# KiCad board Solder.kicad_pcb (continued)
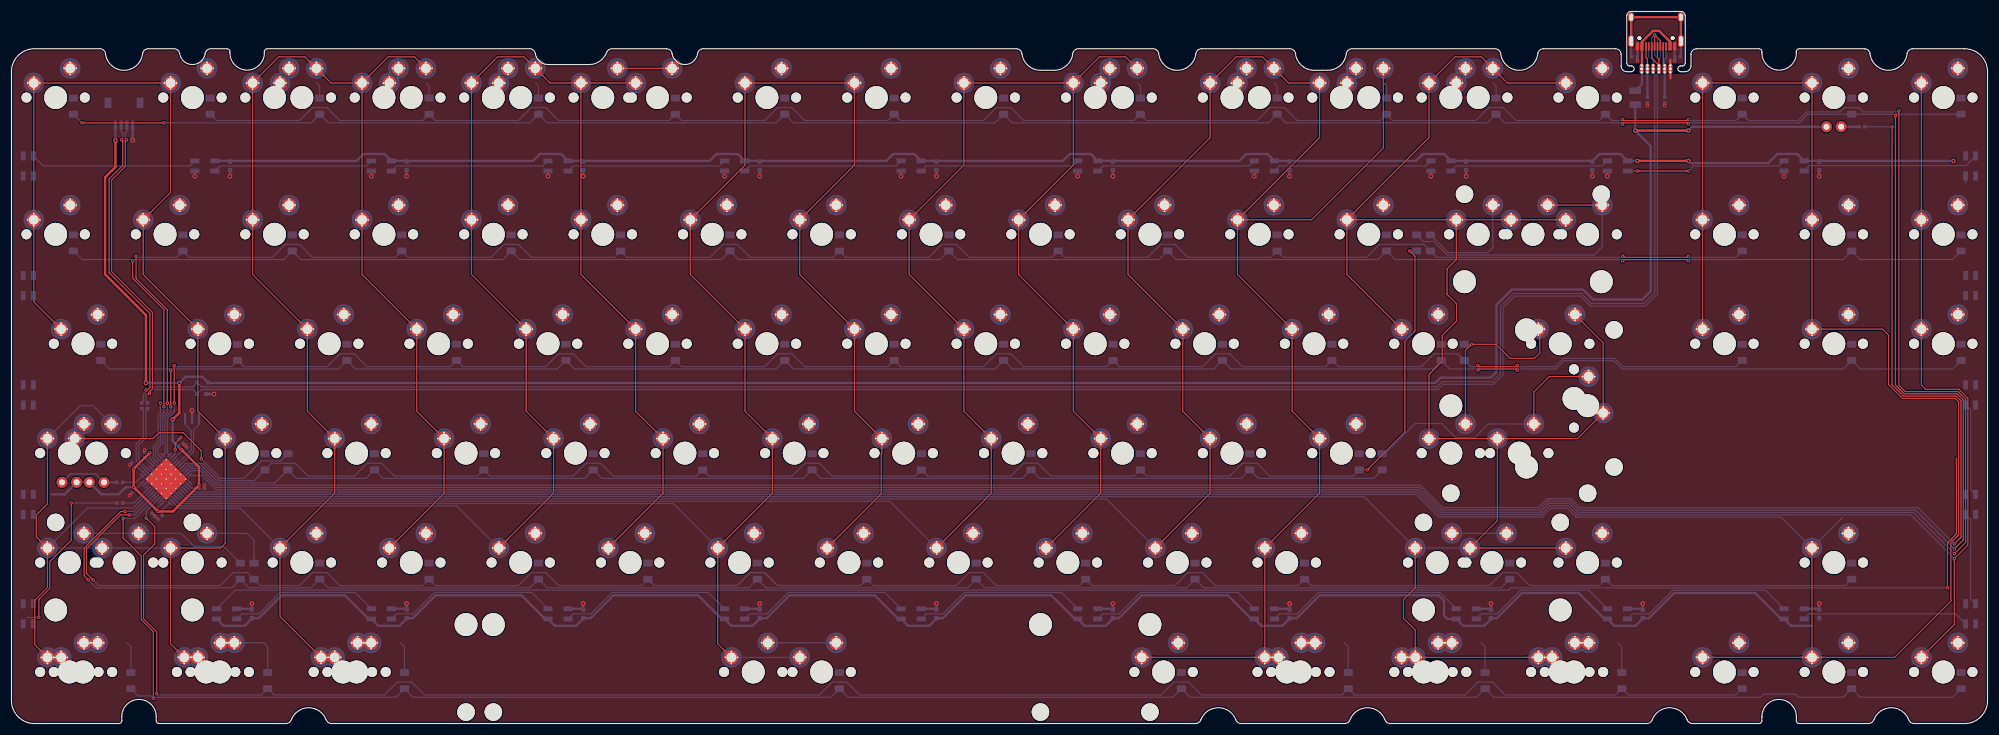
[diagram p0: board, top side]
## Footprints (pads in the part's own frame, mm; a bottom-side part is the same pattern mirrored in y, then rotated) (continued)
  round 2.5 hole 1.7: 1(-3.81,2.54) 2(2.54,5.08)
  round 3.6 smd far side: 1(-3.81,2.54) 2(2.54,5.08)
MXOnly-2.25U-ReversedStabilizers-NoLED
  round 3.988 hole 3.988 unplated: (-11.906,8.255) (0,0) (11.906,8.255)
  round 3.048 hole 3.048 unplated: (-11.906,-6.985) (11.906,-6.985)
  round 1.75 hole 1.75 unplated: (-5.08,0) (5.08,0)
  round 3.2 smd: (-3.81,2.54) (2.54,5.08)
  round 1 smd: (3.099,0)
  round 0.4 hole 0.3: 1(-4.86,2.54) 1(-3.81,3.59) 1(-3.81,1.49) 1(-2.76,2.54) 2(1.49,5.08) 2(2.54,6.13) 2(2.54,4.03) 2(3.59,5.08)
  round 2.5 hole 1.7: 1(-3.81,2.54) 2(2.54,5.08)
  round 3.6 smd far side: 1(-3.81,2.54) 2(2.54,5.08)
MXOnly-2.75U-NoLED
  round 3.048 hole 3.048 unplated: (-11.906,6.985) (11.906,6.985)
  round 3.988 hole 3.988 unplated: (-11.906,-8.255) (0,0) (11.906,-8.255)
  round 1.75 hole 1.75 unplated: (-5.08,0) (5.08,0)
  round 3.2 smd: (-3.81,2.54) (2.54,5.08)
  round 1 smd: (3.099,0)
  round 0.4 hole 0.3: 1(-4.86,2.54) 1(-3.81,3.59) 1(-3.81,1.49) 1(-2.76,2.54) 2(1.49,5.08) 2(2.54,6.13) 2(2.54,4.03) 2(3.59,5.08)
  round 2.5 hole 1.7: 1(-3.81,2.54) 2(2.54,5.08)
  round 3.6 smd far side: 1(-3.81,2.54) 2(2.54,5.08)
MXOnly-2U-NoLED
  round 3.048 hole 3.048 unplated: (-11.906,6.985) (11.906,6.985)
  round 3.988 hole 3.988 unplated: (-11.906,-8.255) (0,0) (11.906,-8.255)
  round 1.75 hole 1.75 unplated: (-5.08,0) (5.08,0)
  round 3.2 smd: (-3.81,2.54) (2.54,5.08)
  round 1 smd: (3.099,0)
  round 0.4 hole 0.3: 1(-4.86,2.54) 1(-3.81,3.59) 1(-3.81,1.49) 1(-2.76,2.54) 2(1.49,5.08) 2(2.54,6.13) 2(2.54,4.03) 2(3.59,5.08)
  round 2.5 hole 1.7: 1(-3.81,2.54) 2(2.54,5.08)
  round 3.6 smd far side: 1(-3.81,2.54) 2(2.54,5.08)
MXOnly-6.25U-ReversedStabilizers-NoLED
  round 3.988 hole 3.988 unplated: (-50,8.255) (0,0) (50,8.255)
  round 3.048 hole 3.048 unplated: (-50,-6.985) (50,-6.985)
  round 1.75 hole 1.75 unplated: (-5.08,0) (5.08,0)
  round 3.2 smd: (-3.81,2.54) (2.54,5.08)
  round 1 smd: (3.099,0)
  round 0.4 hole 0.3: 1(-4.86,2.54) 1(-3.81,3.59) 1(-3.81,1.49) 1(-2.76,2.54) 2(1.49,5.08) 2(2.54,6.13) 2(2.54,4.03) 2(3.59,5.08)
  round 2.5 hole 1.7: 1(-3.81,2.54) 2(2.54,5.08)
  round 3.6 smd far side: 1(-3.81,2.54) 2(2.54,5.08)
MXOnly-7U-ReversedStabilizers-NoLED
  round 3.988 hole 3.988 unplated: (-57.15,8.255) (0,0) (57.15,8.255)
  round 3.048 hole 3.048 unplated: (-57.15,-6.985) (57.15,-6.985)
  round 1.75 hole 1.75 unplated: (-5.08,0) (5.08,0)
  round 3.2 smd: (-3.81,2.54) (2.54,5.08)
  round 1 smd: (3.099,0)
  round 0.4 hole 0.3: 1(-4.86,2.54) 1(-3.81,3.59) 1(-3.81,1.49) 1(-2.76,2.54) 2(1.49,5.08) 2(2.54,6.13) 2(2.54,4.03) 2(3.59,5.08)
  round 2.5 hole 1.7: 1(-3.81,2.54) 2(2.54,5.08)
  round 3.6 smd far side: 1(-3.81,2.54) 2(2.54,5.08)
MXOnly-ISO-ROTATED-ReversedStabilizers-NoLED
  round 3.988 hole 3.988 unplated: (-8.255,11.938) (-8.255,-11.938) (0,0)
  round 1.75 hole 1.75 unplated: (0,5.08) (0,-5.08)
  round 1 smd: (0,-3.099)
  round 3.2 smd: (2.54,3.81) (5.08,-2.54)
  round 3.048 hole 3.048 unplated: (6.985,11.938) (6.985,-11.938)
  round 0.4 hole 0.3: 1(1.49,3.81) 1(2.54,4.86) 1(2.54,2.76) 1(3.59,3.81) 2(4.03,-2.54) 2(5.08,-1.49) 2(5.08,-3.59) 2(6.13,-2.54)
  round 2.5 hole 1.7: 1(2.54,3.81) 2(5.08,-2.54)
  round 3.6 smd far side: 1(2.54,3.81) 2(5.08,-2.54)
MXOnly-LEDONLY
  round 1.905 hole 1.04: 1(1.27,-5.08) 2(-1.27,-5.08)
MXOnly-LEDONLY-FLIPPED
  round 1.905 hole 1.04: 1(-1.27,-5.08) 2(1.27,-5.08)
QFN-44-1EP_7x7mm_P0.5mm_EP5.2x5.2mm
  rrect 1.05x1.05 smd: (-1.95,-1.95) (-1.95,-0.65) (-1.95,0.65) (-1.95,1.95) (-0.65,-1.95) (-0.65,-0.65) (-0.65,0.65) (-0.65,1.95) (0.65,-1.95) (0.65,-0.65) (0.65,0.65) (0.65,1.95) (1.95,-1.95) (1.95,-0.65) (1.95,0.65) (1.95,1.95)
  rrect 1.075x0.25 smd: 1(-3.337,2.5)
  trapezoid 1.075x0.25 smd: 2(-3.337,2) 3(-3.337,1.5) 4(-3.337,1) 5(-3.337,0.5) 6(-3.337,0) 7(-3.337,-0.5) 8(-3.337,-1) 9(-3.337,-1.5) 10(-3.337,-2) 11(-3.337,-2.5) 23(3.337,-2.5) 24(3.337,-2) 25(3.337,-1.5) 26(3.337,-1) 27(3.337,-0.5) 28(3.337,0) 29(3.337,0.5) 30(3.337,1) 31(3.337,1.5) 32(3.337,2) 33(3.337,2.5)
  trapezoid 0.25x1.075 smd: 12(-2.5,-3.337) 13(-2,-3.337) 14(-1.5,-3.337) 15(-1,-3.337) 16(-0.5,-3.337) 17(0,-3.337) 18(0.5,-3.337) 19(1,-3.337) 20(1.5,-3.337) 21(2,-3.337) 22(2.5,-3.337) 34(2.5,3.337) 35(2,3.337) 36(1.5,3.337) 37(1,3.337) 38(0.5,3.337) 39(0,3.337) 40(-0.5,3.337) 41(-1,3.337) 42(-1.5,3.337) 43(-2,3.337) 44(-2.5,3.337)
  round 0.5 hole 0.2: 45(-2.35,-2.35) 45(-2.35,0) 45(-2.35,2.35) 45(-2.35,-1.175) 45(-2.35,1.175) 45(-1.175,-2.35) 45(-1.175,-1.175) 45(-1.175,1.175) 45(-1.175,2.35) 45(-1.175,0) 45(0,-2.35) 45(0,-1.175) 45(0,0) 45(0,1.175) 45(0,2.35) 45(1.175,0) 45(1.175,-2.35) 45(1.175,-1.175) 45(1.175,1.175) 45(1.175,2.35) 45(2.35,-1.175) 45(2.35,1.175) 45(2.35,-2.35) 45(2.35,0) 45(2.35,2.35)
  rrect 5.2x5.2 smd far side: 45(0,0)
  rrect 5.2x5.2 smd: 45(0,0)
R_0402
  rect 0.56x0.62 smd: 1(-0.48,0) 2(0.48,0)
Resonator_SMD_muRata_CSTxExxV-3Pin_3.0x1.1mm
  rect 0.4x1.9 smd: 1(-1.2,0) 2(0,0) 3(1.2,0)
SOT143B
  rect 0.7x1 smd: 1(-1,0.75)
  rect 0.7x0.6 smd: 2(-1,-0.95) 3(1,-0.95) 4(1,0.95)

## Nets
+5V: C1.1 C3.1 C4.1 C5.1 C6.1 C7.1 C9.2 C10.2 C11.2 C12.2 C13.2 C14.2 C15.2 C16.2 C17.2 C18.2 C19.1 C20.1 C21.1 C22.1 C23.1 C24.1 C25.1 C26.1 C27.1 C28.1 D1.2 D2.2 D3.2 F1.2 J2.1 R1.1 RGB1.1 RGB2.1 RGB3.1 RGB4.1 RGB5.1 RGB6.1 RGB7.1 RGB8.1 RGB9.1 RGB10.1 RGB11.1 RGB12.1 RGB13.1 RGB14.1 RGB15.1 RGB16.1 RGB17.1 RGB18.1 RGB19.1 RGB20.1 RGB21.1 RGB22.1 RGB23.1 RGB24.1 RGB25.1 RGB26.1 RGB27.1 RGB28.1 RGB29.1 RGB30.1 U1.2 U1.7 U1.14 U1.24 U1.34 U1.44 U2.4
GND: C1.2 C2.1 C3.2 C4.2 C5.2 C6.2 C7.2 C8.2 C9.1 C10.1 C11.1 C12.1 C13.1 C14.1 C15.1 C16.1 C17.1 C18.1 C19.2 C20.2 C21.2 C22.2 C23.2 C24.2 C25.2 C26.2 C27.2 C28.2 J1.6 J2.4 R4.1 R6.1 R9.1 R10.2 RGB1.3 RGB2.3 RGB3.3 RGB4.3 RGB5.3 RGB6.3 RGB7.3 RGB8.3 RGB9.3 RGB10.3 RGB11.3 RGB12.3 RGB13.3 RGB14.3 RGB15.3 RGB16.3 RGB17.3 RGB18.3 RGB19.3 RGB20.3 RGB21.3 RGB22.3 RGB23.3 RGB24.3 RGB25.3 RGB26.3 RGB27.3 RGB28.3 RGB29.3 RGB30.3 U1.5 U1.15 U1.23 U1.35 U1.43 U1.45 U2.1 USB1.1 USB1.12 USB2.1 USB2.12 Y1.2
C0: MX1.1 MX2.1 MX3.1 MX4.1 MX5.1 MX6.1 MX7.1 MX8.1 MX9.2 MX10.1 MX11.1 MX12.1 MX13.1 MX14.1 MX15.1 MX16.1 U1.40
C1: MX17.1 MX18.1 MX19.1 MX20.1 MX21.1 MX22.1 MX23.1 MX24.2 MX25.1 MX26.1 MX27.1 MX28.1 MX29.1 MX30.2 U1.32
C2: MX31.1 MX32.1 MX33.1 MX34.1 MX35.1 MX36.2 MX37.1 MX38.1 MX39.1 MX40.1 MX41.1 MX42.1 U1.31
C3: MX43.1 MX44.1 MX45.1 MX46.1 MX47.1 MX48.1 MX49.1 MX50.1 MX51.1 MX52.1 MX53.1 MX54.1 U1.30
C4: MX55.1 MX56.1 MX57.1 MX58.1 MX59.1 MX60.1 MX61.1 MX62.1 MX63.1 MX64.1 MX65.2 U1.29
C5: MX66.1 MX67.1 MX68.1 MX69.1 MX70.1 MX71.1 MX72.2 MX73.1 MX74.1 MX75.1 MX76.1 MX77.1 MX78.1 MX79.1 MX80.2 U1.28
C6: MX81.1 MX82.1 MX83.1 MX84.1 MX85.1 MX86.1 MX87.1 MX88.1 MX89.2 MX90.2 MX91.1 MX92.1 MX93.1 MX94.1 MX95.1 MX96.1 MX97.1 MX98.1 MX99.2 U1.27
C7: MX100.1 MX101.1 MX102.1 MX103.1 MX104.1 MX105.1 MX106.1 MX107.1 MX108.1 U1.26
C8: MX109.1 MX110.1 MX111.1 MX112.1 U1.25
C+: J1.4 J2.3 R8.1 U2.2 USB1.6 USB1.8 USB2.6 USB2.8
C-: J1.3 J2.2 R7.2 U2.3 USB1.5 USB1.7 USB2.5 USB2.7
Caps: R2.1 U1.1
CC1: J1.2 R9.2 USB1.10 USB2.4
CC2: J1.5 R10.1 USB1.4 USB2.10
D+: R8.2 U1.4
D-: R7.1 U1.3
Fuse: F1.1 J1.1 USB1.2 USB1.11 USB2.2 USB2.11
R0: D4.1 D16.1 D27.1 D37.1 D48.1 D58.1 D70.1 D86.1 D91.1 U1.21
R1: D10.1 D22.1 D32.1 D43.1 D53.1 D64.1 D76.1 D82.1 U1.22
R2: D5.1 D17.1 D28.1 D38.1 D49.1 D59.1 D71.1 D87.1 D92.1 U1.9
R3: D11.1 D23.1 D33.1 D44.1 D54.1 D65.1 D77.1 D83.1 U1.10
R4: D6.1 D18.1 D29.1 D39.1 D50.1 D60.1 D72.1 D88.1 D93.1 U1.11
R5: D12.1 D24.1 D34.1 D45.1 D55.1 D66.1 D78.1 D84.1 U1.12
R6: D7.1 D19.1 D30.1 D40.1 D51.1 D61.1 D73.1 U1.19
R7: D13.1 D25.1 D35.1 D46.1 D56.1 D67.1 D79.1 U1.18
R8: D8.1 D20.1 D31.1 D41.1 D52.1 D62.1 D74.1 U1.39
R9: D14.1 D26.1 D36.1 D47.1 D57.1 D68.1 D80.1 D89.1 U1.38
R10: D9.1 D21.1 D42.1 D63.1 D75.1 D90.1 D94.1 U1.37
R11: D15.1 D69.1 D81.1 D85.1 U1.36
Scroll: R3.1 U1.20
Shiled: C8.1 R6.2 USB1.13 USB2.13
Strip1: RGB2.4 RGB13.2
Strip2: RGB19.2 RGB20.4
Strip3: RGB12.2 RGB21.4
Net-(C2-Pad2): C2.2 U1.6
Net-(D1-Pad1): D1.1 D2.1 R2.2
Net-(D3-Pad1): D3.1 R3.2
Net-(D4-Pad2): D4.2 MX2.2
Net-(D5-Pad2): D5.2 MX3.2
Net-(D6-Pad2): D6.2 MX4.2
Net-(D7-Pad2): D7.2 MX5.2 MX9.1
Net-(D8-Pad2): D8.2 MX6.2 MX7.2
Net-(D9-Pad2): D9.2 MX1.2 MX8.2
Net-(D10-Pad2): D10.2 MX11.2
Net-(D11-Pad2): D11.2 MX12.2
Net-(D12-Pad2): D12.2 MX13.2
Net-(D13-Pad2): D13.2 MX14.2
Net-(D14-Pad2): D14.2 MX15.2
Net-(D15-Pad2): D15.2 MX10.2 MX16.2
Net-(D16-Pad2): D16.2 MX18.2 MX24.1
Net-(D17-Pad2): D17.2 MX19.2
Net-(D18-Pad2): D18.2 MX20.2
Net-(D19-Pad2): D19.2 MX21.2
Net-(D20-Pad2): D20.2 MX22.2
Net-(D21-Pad2): D21.2 MX17.2 MX23.2
Net-(D22-Pad2): D22.2 MX25.2 MX30.1
Net-(D23-Pad2): D23.2 MX26.2
Net-(D24-Pad2): D24.2 MX27.2
Net-(D25-Pad2): D25.2 MX28.2
Net-(D26-Pad2): D26.2 MX29.2
Net-(D27-Pad2): D27.2 MX31.2 MX36.1
Net-(D28-Pad2): D28.2 MX32.2
Net-(D29-Pad2): D29.2 MX33.2
Net-(D30-Pad2): D30.2 MX34.2
Net-(D31-Pad2): D31.2 MX35.2
Net-(D32-Pad2): D32.2 MX37.2 MX38.2
Net-(D33-Pad2): D33.2 MX39.2
Net-(D34-Pad2): D34.2 MX40.2
Net-(D35-Pad2): D35.2 MX41.2
Net-(D36-Pad2): D36.2 MX42.2
Net-(D37-Pad2): D37.2 MX44.2
Net-(D38-Pad2): D38.2 MX45.2
Net-(D39-Pad2): D39.2 MX46.2
Net-(D40-Pad2): D40.2 MX47.2
Net-(D41-Pad2): D41.2 MX48.2
Net-(D42-Pad2): D42.2 MX43.2 MX49.2
Net-(D43-Pad2): D43.2 MX50.2
Net-(D44-Pad2): D44.2 MX51.2
Net-(D45-Pad2): D45.2 MX52.2
Net-(D46-Pad2): D46.2 MX53.2
Net-(D47-Pad2): D47.2 MX54.2
Net-(D48-Pad2): D48.2 MX55.2
Net-(D49-Pad2): D49.2 MX56.2
Net-(D50-Pad2): D50.2 MX57.2
Net-(D51-Pad2): D51.2 MX58.2
Net-(D52-Pad2): D52.2 MX59.2
Net-(D53-Pad2): D53.2 MX60.2 MX65.1
Net-(D54-Pad2): D54.2 MX61.2
Net-(D55-Pad2): D55.2 MX62.2
Net-(D56-Pad2): D56.2 MX63.2
Net-(D57-Pad2): D57.2 MX64.2
Net-(D58-Pad2): D58.2 MX66.2 MX72.1
Net-(D59-Pad2): D59.2 MX67.2
Net-(D60-Pad2): D60.2 MX68.2
Net-(D61-Pad2): D61.2 MX69.2
Net-(D62-Pad2): D62.2 MX70.2
Net-(D63-Pad2): D63.2 MX71.2
Net-(D64-Pad2): D64.2 MX74.2 MX80.1
Net-(D65-Pad2): D65.2 MX75.2
Net-(D66-Pad2): D66.2 MX76.2
Net-(D67-Pad2): D67.2 MX77.2
Net-(D68-Pad2): D68.2 MX78.2
Net-(D69-Pad2): D69.2 MX73.2 MX79.2
Net-(D70-Pad2): D70.2 MX82.2 MX89.1
Net-(D71-Pad2): D71.2 MX83.2
Net-(D72-Pad2): D72.2 MX84.2
Net-(D73-Pad2): D73.2 MX85.2 MX90.1
Net-(D74-Pad2): D74.2 MX86.2 MX87.2
Net-(D75-Pad2): D75.2 MX81.2 MX88.2
Net-(D76-Pad2): D76.2 MX92.2
Net-(D77-Pad2): D77.2 MX93.2
Net-(D78-Pad2): D78.2 MX94.2 MX99.1
Net-(D79-Pad2): D79.2 MX95.2 MX96.2
Net-(D80-Pad2): D80.2 MX97.2
Net-(D81-Pad2): D81.2 MX91.2 MX98.2
Net-(D82-Pad2): D82.2 MX100.2
Net-(D83-Pad2): D83.2 MX101.2
Net-(D84-Pad2): D84.2 MX102.2
Net-(D85-Pad2): D85.2 MX103.2
Net-(D86-Pad2): D86.2 MX104.2
Net-(D87-Pad2): D87.2 MX105.2
Net-(D88-Pad2): D88.2 MX106.2
Net-(D89-Pad2): D89.2 MX107.2
Net-(D90-Pad2): D90.2 MX108.2
Net-(D91-Pad2): D91.2 MX109.2
Net-(D92-Pad2): D92.2 MX110.2
Net-(D93-Pad2): D93.2 MX111.2
Net-(D94-Pad2): D94.2 MX112.2
Net-(R1-Pad2): R1.2 U1.13
Net-(R4-Pad2): R4.2 U1.33
Net-(R5-Pad2): R5.2 U1.41
Net-(RGB1-Pad2): RGB1.2 RGB4.4
Net-(RGB2-Pad2): RGB2.2 RGB5.4
Net-(RGB3-Pad2): RGB3.2 RGB6.4
Net-(RGB4-Pad2): RGB4.2 RGB7.4
Net-(RGB5-Pad2): RGB5.2 RGB8.4
Net-(RGB6-Pad2): RGB6.2 RGB9.4
Net-(RGB10-Pad2): RGB10.2 RGB13.4
Net-(RGB10-Pad4): RGB7.2 RGB10.4
Net-(RGB11-Pad2): RGB11.2 RGB14.4
Net-(RGB11-Pad4): RGB8.2 RGB11.4
Net-(RGB12-Pad4): RGB9.2 RGB12.4
Net-(RGB14-Pad2): RGB14.2 RGB15.4
Net-(RGB15-Pad2): RGB15.2 RGB16.4
Net-(RGB16-Pad2): RGB16.2 RGB17.4
Net-(RGB17-Pad2): RGB17.2 RGB18.4
Net-(RGB18-Pad2): RGB18.2 RGB19.4
Net-(RGB20-Pad2): RGB3.4 RGB20.2
Net-(RGB21-Pad2): RGB21.2 RGB22.4
Net-(RGB22-Pad2): RGB22.2 RGB23.4
Net-(RGB23-Pad2): RGB23.2 RGB24.4
Net-(RGB24-Pad2): RGB24.2 RGB25.4
Net-(RGB25-Pad2): RGB25.2 RGB26.4
Net-(RGB26-Pad2): RGB26.2 RGB27.4
Net-(RGB27-Pad2): RGB27.2 RGB28.4
Net-(RGB28-Pad2): RGB28.2 RGB29.4
Net-(RGB29-Pad2): RGB29.2 RGB30.4
Net-(U1-Pad16): U1.16 Y1.3
Net-(U1-Pad17): U1.17 Y1.1

Pads without a net: R5 1; RGB1 4; RGB30 2; U1 8 42; USB1 3 9; USB2 3 9

## Via types
v1: diameter 0.6, hole 0.3, Top to Bottom, 70 vias
v2: diameter 0.8, hole 0.4, Top to Bottom, 42 vias

## Routing (per net, layer and track width the routed paths; a pad name or vN(x,y) marks a point on that pad's centre or on a via; arc(x,y) is an arc through that point)
+5V: length 1096.1
  Top w0.4: v1(24.08,47.15) v1(21.27,44.34) v1(21.27,41.16) v1(25.51,36.92) 28.09,36.92 v1(32.63,41.46) 32.63,44.65 v1(29.54,47.74) ; v2(282.67,103.24) v2(291.94,103.24) ; v2(291.95,97.96) v2(283.02,97.96) ; v2(29.23,59.3) 29.23,54.1 v2(28.05,52.92) ; v2(23.4,59.3) 23.4,71.09 16.29,78.21 16.29,95.08 18.09,96.89 v2(18.09,101.53)
  Bottom w0.2: U1.24 31.35,40.98 C6.1 ; v1(24.08,47.15) 24.08,46.13 U1.7 ; U1.2 21.98,44.7 C4.1 v1(21.27,44.34) ; C5.1 v1(29.54,47.74) C7.1 ; U1.44 21.66,40.85 ; U1.34 25.13,37.24 ; C3.1 v1(21.27,41.16) ; U1.14 29.76,47.52 ; C1.1 v1(25.51,36.92) ; 2.05,77.4 2.05,78.58
  Bottom w0.4: v1(21.27,41.16) 19.9,41.16 18.64,39.9 15.66,39.9 D2.2 D1.2 9.24,39.9 6.95,39.9 ; C7.1 28.05,49.23 v2(28.05,52.92) ; C6.1 v1(32.63,41.46) ; RGB30.1 36.91,17.01 40.59,17.01 41.92,18.34 43.06,18.34 47.04,22.32 58.03,22.32 62.14,18.22 ; 215.84,18.22 211.73,22.32 196.77,22.32 192.79,18.34 191.83,18.34 190.5,17.01 186.82,17.01 RGB25.1 ; 185.1,18.22 180.99,22.32 166.11,22.32 162.13,18.34 161.09,18.34 159.76,17.01 156.08,17.01 RGB26.1 ; 154.36,18.22 150.25,22.32 135.45,22.32 131.47,18.34 130.35,18.34 129.02,17.01 125.34,17.01 RGB27.1 ; 123.62,18.22 119.51,22.32 104.79,22.32 100.81,18.34 99.61,18.34 98.28,17.01 94.6,17.01 RGB28.1 ; 92.88,18.22 88.77,22.32 73.83,22.32 69.85,18.34 68.87,18.34 67.54,17.01 63.86,17.01 RGB29.1 ; 313.46,17.01 309.78,17.01 RGB21.1 ; RGB22.1 279.04,17.01 282.72,17.01 284.05,18.34 285.06,18.34 289.44,22.72 303.55,22.72 308.06,18.22 ; RGB24.1 217.56,17.01 221.24,17.01 222.57,18.34 223.74,18.34 227.72,22.32 248.44,22.32 249.38,21.38 249.38,18.8 249.96,18.22 RGB23.1 252.71,17.01 256.39,17.01 257.73,18.34 258.57,18.34 262.95,22.72 272.81,22.72 277.32,18.22 ; v2(338.07,97.96) RGB19.1 310.86,99.16 307.43,99.16 305.84,97.58 292.32,97.58 v2(291.95,97.96) ; J2.1 v2(18.09,101.53) ; v2(283.02,97.96) RGB18.1 280.12,99.16 276.44,99.16 275.23,97.96 RGB17.1 249.38,99.16 245.7,99.16 244.5,97.96 RGB16.1 218.64,99.16 214.96,99.16 213.76,97.96 RGB15.1 187.9,99.16 184.22,99.16 183.02,97.96 RGB14.1 157.16,99.16 153.48,99.16 152.28,97.96 RGB11.1 126.42,99.16 122.74,99.16 121.54,97.96 RGB8.1 95.68,99.16 92,99.16 90.8,97.96 RGB5.1 64.95,99.16 61.26,99.16 60.06,97.96 RGB2.1 ; v2(291.94,103.24) 292.61,103.91 D3.2 ; U2.4 33.22,60.37 30.3,60.37 v2(29.23,59.3) v2(23.4,59.3) ; 34.12,59.3 247.87,59.3 248.79,60.22 257.54,60.22 258.51,61.2 258.51,72.87 261.22,75.57 273.58,75.57 275.33,73.82 283.92,73.82 285.37,75.28 285.37,100.54 v2(282.67,103.24) F1.2
GND: length 96.3
  Top w0.4: 288.79,112.34 J1.6 ; 288.79,115.59 J1.6
  Bottom w0.2: C5.2 v1(30.21,48.43) C7.2 ; U1.35 26.93,39.75 U1.45 ; U1.45 24.1,42.57 U1.43 ; U1.45 26.22,42.57 U1.5 ; U1.45 26.93,43.99 U1.15 ; U1.45 30.46,42.57 U1.23
  Bottom w0.4: C2.1 v1(23.18,47.62) ; C1.2 v1(25,36.07) R4.1 ; C3.2 v1(20.55,39.73) ; C4.2 v1(20.6,45.03) ; C6.2 v1(33.59,41.49) ; RGB18.3 v2(277.83,95.29) ; RGB17.3 v2(247.09,95.29) ; RGB16.3 v2(216.35,95.29) ; RGB15.3 v2(185.61,95.29) ; RGB14.3 v2(154.87,95.29) ; RGB11.3 v2(124.13,95.29) ; RGB8.3 v2(93.39,95.29) ; RGB5.3 v2(62.65,95.29) ; 253.23,96.33 v2(253.23,95.29) ; 222.49,96.33 v2(222.49,95.29) ; 191.75,96.33 v2(191.75,95.29) ; 161.01,96.33 v2(161.01,95.29) ; C13.1 v2(130.27,95.29) ; C11.1 v2(99.53,95.29) ; C10.1 v2(68.79,95.29) ; 275.2,96.33 v2(275.2,95.29) ; RGB19.3 v2(308.57,95.29) ; C24.2 v2(41.84,20.88) ; C28.2 v2(68.79,20.88) ; C27.2 v2(99.53,20.88) ; C21.2 v2(130.27,20.88) ; C26.2 v2(161.01,20.88) ; C23.2 v2(191.75,20.88) ; C19.2 v2(222.49,20.88) ; 257.56,19.84 v2(257.56,20.88) ; 283.97,19.84 v2(283.97,20.88) ; C25.2 v2(314.71,20.88) ; 314.71,96.33 v2(314.71,95.29) ; RGB2.3 v2(31.91,95.29) ; USB1.12 v1(283.07,115.36) ; 314.68,19.97 RGB21.3 314.73,19.97 ; USB1.1 v1(289.52,115.36) ; RGB30.3 41.78,19.97 ; Y1.2 v2(31.43,54.51) ; RGB22.3 283.83,19.97 ; RGB25.3 191.73,19.97 ; U2.1 v2(35.27,57.37) ; RGB26.3 160.98,19.97 ; RGB24.3 222.43,19.97 ; R9.1 v1(284.79,107.59) ; J2.4 v2(21.09,101.53) ; RGB27.3 130.28,19.97 ; C9.1 v2(38.05,95.29) ; RGB28.3 99.48,19.97 ; RGB29.3 68.83,19.97 ; RGB23.3 257.53,19.97 ; R10.2 v1(287.79,107.59)
(no net): length 369.3
  Top w0.2: 338.58,46.28 338.58,33.02 337.03,31.47 v1(337.03,23.62) ; v1(10.41,38.39) 10.41,31.93 6.66,28.18 6.66,23.52 4.76,21.62 v1(4.76,18.47)
  Bottom w0.2: U1.8 24.68,46.24 24.68,48.26 25.53,49.11 25.53,53.77 25.93,54.17 v1(25.93,55.77) ; v1(337.03,23.62) 261.06,23.62 260.66,23.22 38.96,23.22 RGB30.2 ; v1(4.76,18.47) 2.74,18.47 ; R5.1 v1(10.41,38.39)
C0: length 286.5
  Top w0.2: MX16.1 27.69,13.9 MX15.1 36.42,30.56 37.21,31.36 MX14.1 32.45,54.38 MX13.1 22.93,78.19 MX12.1 27.69,92.48 MX11.1 MX2.1 MX3.1 3.88,73.43 MX4.1 ; MX5.1 6.26,38.26 4.32,36.32 4.32,32.5 MX6.1 6.26,23.68 4.05,21.47 4.05,13.72 MX8.1
  Bottom w0.2: U1.40 21.16,37.52 13.21,37.52 MX6.1 MX7.1 MX15.1 ; MX9.2 14.2,55.32 11.97,55.32 MX5.1
C1: length 262.6
  Top w0.2: MX23.1 46.74,18.66 MX22.1 56.26,40.09 MX21.1 51.5,54.38 MX20.1 41.98,78.19 MX19.1 MX18.1 46.52,116.07 51.08,116.07 MX24.2 55.63,111.53 MX25.1 ; MX30.2 70.13,116.07 65.57,116.07 MX25.1 ; MX25.1 MX26.1 61.03,78.19 MX27.1 70.55,54.38 MX28.1 75.31,40.09 MX29.1
  Bottom w0.2: U1.32 29.18,37.49 39.81,37.49 MX22.1
C2: length 274.2
  Top w0.2: MX42.1 113.41,40.09 MX41.1 108.65,54.38 MX40.1 99.13,78.19 MX39.1 MX37.1 ; MX37.1 MX38.1 ; MX37.1 93.73,111.53 MX36.2 89.18,116.07 84.62,116.07 MX31.1 MX32.1 80.08,78.19 MX33.1 89.6,54.38 MX34.1 94.36,40.09 MX35.1
  Bottom w0.2: U1.31 29.49,37.89 77.51,37.89 MX35.1
C3: length 338.6
  Top w0.2: MX54.1 151.42,39.99 151.42,46.97 151.51,47.07 MX53.1 146.75,54.38 MX52.1 137.23,78.19 MX51.1 146.75,97.24 MX50.1 MX44.1 127.7,97.24 MX45.1 118.18,78.19 MX46.1 127.7,54.38 MX47.1 132.46,40.09 MX48.1 122.94,13.9 MX49.1
  Bottom w0.2: U1.30 29.79,38.29 115.21,38.29 MX48.1 ; MX49.1 MX43.1
C4: length 358.4
  Top w0.2: MX59.1 170.56,40.09 MX58.1 165.8,54.38 MX57.1 156.28,78.19 MX56.1 165.8,97.24 MX55.1 MX60.1 ; MX60.1 189.4,116.07 193.96,116.07 MX65.2 ; MX60.1 184.85,97.24 MX61.1 175.33,78.19 MX62.1 184.85,54.38 MX63.1 189.61,40.09 MX64.1
  Bottom w0.2: U1.29 30.1,38.69 152.91,38.69 MX59.1
C5: length 475.1
  Top w0.2: MX80.2 238.83,100.22 226.33,87.71 MX75.1 ; MX70.1 208.66,40.09 MX69.1 203.9,54.38 MX68.1 194.38,78.19 MX67.1 208.66,102 MX66.1 213.21,116.07 217.77,116.07 MX72.2 222.32,111.53 MX74.1 227.71,102 MX75.1 ; MX75.1 213.43,78.19 MX76.1 222.95,54.38 MX77.1 227.71,40.09 MX78.1 MX73.1 MX71.1
  Bottom w0.2: U1.28 30.41,39.09 190.61,39.09 MX70.1
C6: length 519.5
  Top w0.2: MX95.1 MX96.1 MX93.1 ; MX85.1 258.67,35.33 MX87.1 MX97.1 ; MX85.1 272.64,49.61 MX90.2 277.09,66.28 MX99.2 ; MX85.1 MX94.1 246.76,60.77 249.07,63.07 249.07,67.57 251.57,70.07 251.57,73.07 249.9,74.75 249.9,79.15 251.53,80.78 MX93.1 ; MX86.1 244.38,23.63 242.32,21.57 242.32,18.32 244.38,16.26 MX88.1 MX91.1 ; MX93.1 MX83.1 ; MX83.1 246.76,102 MX82.1 251.31,116.07 255.87,116.07 MX89.2 260.42,111.53 MX92.1 ; MX83.1 232.48,78.19 MX84.1
  Bottom w0.2: U1.27 30.72,39.49 235.45,39.49 MX86.1 MX87.1
C7: length 538.8
  Top w0.2: MX107.1 MX108.1 ; MX108.1 327.83,11.51 337.63,21.32 337.63,31.51 338.98,32.86 338.98,56 338.38,56.6 329.19,56.6 326.77,59.01 326.77,67.61 325.72,68.66 MX106.1 MX105.1 MX104.1 MX100.1 MX101.1 MX102.1 ; MX108.1 MX103.1
  Bottom w0.2: 318.82,35.95 MX107.1 308.05,35.95 272.38,35.95 270.8,37.52 268,37.52 266.45,35.97 248.48,35.97 244.56,39.89 31.02,39.89 U1.26
C8: length 424.5
  Top w0.2: MX112.1 338.23,17.25 v1(338.23,28.71) 340.58,31.07 340.58,56.67 339.05,58.2 333.21,58.2 332.49,58.92 MX111.1 MX110.1 MX109.1
  Bottom w0.2: U1.25 31.33,40.29 244.72,40.29 248.64,36.37 266.28,36.37 267.83,37.92 270.97,37.92 272.54,36.35 330.59,36.35 v1(338.23,28.71)
C+: length 384
  Top w0.2: USB1.8 285.54,115.84 J1.4 286.79,115.66 286.54,115.91 USB1.6 ; v1(20.02,101.63) 19.82,101.43 19.82,96.99 17.44,94.61 17.44,78.68 24.55,71.57 24.55,58.28 24.03,57.76 v1(24.03,57.47)
  Bottom w0.2: 286.79,115.65 J1.4 ; 286.79,115.65 286.04,116.4 USB2.6 ; 286.79,115.65 287.04,115.9 USB2.8 ; J1.4 286.52,113.11 286.52,74.8 284.39,72.67 274.86,72.67 273.11,74.42 261.69,74.42 259.66,72.39 259.66,60.72 258.02,59.07 249.27,59.07 248.34,58.15 33.09,58.15 U2.2 31.54,58.15 24.42,58.15 24.03,57.76 v1(24.03,57.47) 23.74,57.47 23.4,57.13 23.4,56.08 R8.1 ; v1(20.02,101.63) 19.82,101.83 19.82,102.77 20.09,103.05 J2.3
C-: length 382.8
  Top w0.2: USB1.7 v1(286.04,119.91) 287.04,118.91 USB1.5 ; v1(19.17,101.63) 19.37,101.43 19.37,97.17 16.99,94.79 16.99,78.5 24.1,71.38 24.1,58.47 23.71,58.08 v1(23.43,58.08)
  Bottom w0.2: J1.3 286.07,113.11 286.07,74.99 284.21,73.12 275.04,73.12 273.29,74.87 261.51,74.87 259.21,72.58 259.21,60.91 257.83,59.52 249.08,59.52 248.16,58.6 33.09,58.6 U2.3 31.54,58.6 24.23,58.6 23.71,58.08 v1(23.43,58.08) 23.43,57.79 22.95,57.32 22.95,56.08 R7.2 ; J2.2 19.09,103.05 19.37,102.77 19.37,101.83 v1(19.17,101.63) ; J1.3 285.79,115.77 285.54,116.02 USB2.5 285.54,119.41 v1(286.04,119.91) 286.54,119.41 USB2.7
Caps: length 3.9
  Bottom w0.2: R2.1 21.63,41.99 U1.1
CC1: length 11.1
  Top w0.2: USB1.10 284.54,115.96 284.79,115.71 J1.2
  Bottom w0.2: USB2.4 285.04,116.01 284.79,115.76 J1.2
  Bottom w0.4: R9.2 J1.2
CC2: length 11.1
  Top w0.2: J1.5 287.54,114.84 USB1.4
  Bottom w0.2: USB2.10 288.04,115.99 287.79,115.74 J1.5
  Bottom w0.4: R10.1 J1.5
D+: length 12
  Bottom w0.2: U1.4 23.82,44.23 22.15,45.9 22.15,48.48 23.4,49.73 23.4,54.57 R8.2
D-: length 12.3
  Bottom w0.2: U1.3 23.51,43.91 21.7,45.71 21.7,48.67 22.95,49.92 22.95,54.57 R7.1
Fuse: length 27.8
  Top w0.4: USB1.2 288.74,118.7 286.83,120.61 285.75,120.61 283.84,118.7 USB1.11 283.84,114.49
  Bottom w0.4: USB1.2 288.74,118.7 286.83,120.61 285.75,120.61 283.84,118.7 USB1.11 283.84,111.35 F1.1
R0: length 738.9
  Top w0.2: v1(280.44,104.39) 280.64,104.59 291.74,104.59 v1(291.94,104.39) ; v1(26.52,104.59) v1(12.29,104.59) ; v1(327.97,105.89) 327.97,58.94 329.52,57.4 338.71,57.4 339.78,56.34 339.78,31.96 v1(338.23,30.41)
  Bottom w0.2: v1(26.52,104.59) 52.15,104.59 D16.1 55.15,104.59 90.25,104.59 D27.1 93.25,104.59 133.11,104.59 D37.1 136.11,104.59 171.21,104.59 D48.1 174.21,104.59 218.84,104.59 D58.1 221.84,104.59 256.94,104.59 D70.1 259.94,104.59 280.24,104.59 v1(280.44,104.39) ; D4.1 v1(12.29,104.59) ; U1.21 31.2,44.02 32.84,44.02 35.76,41.09 245.05,41.09 248.97,37.17 265.95,37.17 267.5,38.72 271.3,38.72 272.87,37.15 331.49,37.15 v1(338.23,30.41) ; D91.1 328.17,106.09 v1(327.97,105.89) 327.77,106.09 D86.1 312.7,106.09 311.2,104.59 292.14,104.59 v1(291.94,104.39)
R1: length 715.9
  Top w0.2: v1(328.58,106.69) 328.58,58.9 329.68,57.8 338.88,57.8 340.18,56.5 340.18,31.51 v1(338.23,29.56) ; v1(291.94,105.19) 291.74,104.99 280.64,104.99 v1(280.44,105.19)
  Bottom w0.2: v1(338.23,29.56) 331.04,36.75 272.71,36.75 271.13,38.32 267.66,38.32 266.11,36.77 248.81,36.77 244.89,40.69 35.59,40.69 33.12,43.17 U1.22 ; v1(291.94,105.19) 292.14,104.99 300.2,104.99 D82.1 302.4,104.99 311.03,104.99 312.53,106.49 318.35,106.49 319.1,107.24 321.6,107.24 322.35,106.49 328.38,106.49 v1(328.58,106.69) ; v1(280.44,105.19) 280.24,104.99 278.59,104.99 D76.1 276.39,104.99 261.94,104.99 259.69,107.24 257.19,107.24 254.94,104.99 240.49,104.99 D64.1 238.29,104.99 223.84,104.99 221.59,107.24 219.09,107.24 216.84,104.99 197.62,104.99 D53.1 195.42,104.99 176.21,104.99 173.96,107.24 171.46,107.24 169.21,104.99 154.76,104.99 D43.1 152.56,104.99 138.11,104.99 135.86,107.24 133.36,107.24 131.11,104.99 116.66,104.99 D32.1 114.46,104.99 95.25,104.99 93,107.24 90.5,107.24 88.25,104.99 73.8,104.99 D22.1 71.6,104.99 57.15,104.99 54.9,107.24 52.4,107.24 50.15,104.99 35.7,104.99 D10.1
R2: length 376.7
  Top w0.2: v1(26.53,55.17) 26.53,72.08 21.09,77.52 v1(21.09,80.57) ; v1(280.5,80.57) 280.7,80.77 291.75,80.77 v1(291.95,80.57)
  Bottom w0.2: U1.9 25.08,46.55 25.08,48.09 25.93,48.94 25.93,53.57 26.53,54.17 v1(26.53,55.17) ; D92.1 337.9,80.77 321.85,80.77 D87.1 318.85,80.77 292.15,80.77 v1(291.95,80.57) ; D5.1 12.29,80.77 20.89,80.77 v1(21.09,80.57) 21.29,80.77 47.39,80.77 D17.1 50.39,80.77 85.49,80.77 D28.1 88.49,80.77 123.59,80.77 D38.1 126.59,80.77 161.69,80.77 D49.1 164.69,80.77 199.79,80.77 D59.1 202.79,80.77 237.89,80.77 D71.1 240.89,80.77 248.25,80.77 280.3,80.77 v1(280.5,80.57)
R3: length 335.3
  Top w0.2: v1(280.5,81.37) 280.7,81.17 291.75,81.17 v1(291.95,81.37) ; v1(21.69,81.37) 21.69,77.49 27.13,72.05 v1(27.13,55.77)
  Bottom w0.2: U1.10 25.48,46.85 25.48,47.92 26.33,48.77 26.33,53.41 27.13,54.21 v1(27.13,55.77) ; D83.1 300.2,81.17 292.15,81.17 v1(291.95,81.37) ; v1(280.5,81.37) 280.3,81.17 248.1,81.17 D77.1 245.85,83.42 238.14,83.42 235.89,81.17 221.44,81.17 D65.1 219.24,81.17 204.79,81.17 202.54,83.42 200.04,83.42 197.79,81.17 183.34,81.17 D54.1 181.14,81.17 166.69,81.17 164.44,83.42 161.94,83.42 159.69,81.17 145.24,81.17 D44.1 143.04,81.17 128.59,81.17 126.34,83.42 123.84,83.42 121.59,81.17 107.14,81.17 D33.1 104.94,81.17 90.49,81.17 88.24,83.42 85.74,83.42 83.49,81.17 69.04,81.17 D23.1 66.84,81.17 52.39,81.17 50.14,83.42 47.64,83.42 45.39,81.17 30.94,81.17 D11.1 28.74,81.17 21.89,81.17 v1(21.69,81.37)
R4: length 350.9
  Top w0.2: v1(255.27,61.52) 255.47,61.72 261.96,61.72 v1(262.16,61.52) ; v1(27.73,55.17) v1(27.73,61.52)
  Bottom w0.2: U1.11 26.73,47.09 26.73,53.24 27.73,54.24 v1(27.73,55.17) ; D6.1 17.05,61.72 27.53,61.72 v1(27.73,61.52) 27.93,61.72 56.91,61.72 D18.1 59.91,61.72 95.01,61.72 D29.1 98.01,61.72 133.11,61.72 D39.1 136.11,61.72 171.21,61.72 D50.1 174.21,61.72 209.31,61.72 D60.1 212.31,61.72 247.41,61.72 D72.1 250.41,61.72 255.07,61.72 v1(255.27,61.52) ; D93.1 337.9,61.72 321.85,61.72 D88.1 318.85,61.72 280.38,61.72 278.93,63.17 270.29,63.17 268.84,61.72 262.36,61.72 v1(262.16,61.52)
R5: length 308
  Top w0.2: v1(255.27,62.32) 255.47,62.12 261.96,62.12 v1(262.16,62.32) ; v1(28.33,55.77) v1(28.33,62.32)
  Bottom w0.2: U1.12 27.13,47.09 27.13,53.08 28.33,54.28 v1(28.33,55.77) ; v1(255.27,62.32) 255.07,62.12 254.01,62.12 D78.1 251.76,64.37 247.66,64.37 245.41,62.12 230.96,62.12 D66.1 228.76,62.12 214.31,62.12 212.06,64.37 209.56,64.37 207.31,62.12 192.86,62.12 D55.1 190.66,62.12 176.21,62.12 173.96,64.37 171.46,64.37 169.21,62.12 154.76,62.12 D45.1 152.56,62.12 138.11,62.12 135.86,64.37 133.36,64.37 131.11,62.12 116.66,62.12 D34.1 114.46,62.12 100.01,62.12 97.76,64.37 95.26,64.37 93.01,62.12 78.56,62.12 D24.1 76.36,62.12 61.91,62.12 59.66,64.37 57.16,64.37 54.91,62.12 40.46,62.12 D12.1 38.26,62.12 28.53,62.12 v1(28.33,62.32) ; D84.1 300.2,62.12 280.55,62.12 279.1,63.57 270.13,63.57 268.68,62.12 262.36,62.12 v1(262.16,62.32)
R6: length 218.5
  Bottom w0.2: U1.19 30.59,44.82 33.17,44.82 36.09,41.89 45.84,41.89 D7.1 49.62,42.67 61.67,42.67 D19.1 64.67,42.67 99.77,42.67 D30.1 102.77,42.67 137.87,42.67 D40.1 140.87,42.67 175.97,42.67 D51.1 178.97,42.67 214.07,42.67 D61.1 217.07,42.67 237.12,42.67 D73.1
R7: length 266.6
  Top w0.2: v1(236.02,44.17) 242.57,50.72 242.57,66.57 244.32,68.32 244.32,81.35 v1(243.4,82.27)
  Bottom w0.2: U1.18 30.28,45.22 33.33,45.22 36.26,42.29 42.24,42.29 D13.1 45.27,45.32 49.37,45.32 51.62,43.07 59.67,43.07 61.92,45.32 64.42,45.32 66.67,43.07 81.12,43.07 D25.1 83.32,43.07 97.77,43.07 100.02,45.32 102.52,45.32 104.77,43.07 119.22,43.07 D35.1 121.42,43.07 135.87,43.07 138.12,45.32 140.62,45.32 142.87,43.07 157.32,43.07 D46.1 159.52,43.07 173.97,43.07 176.22,45.32 178.72,45.32 180.97,43.07 195.42,43.07 D56.1 197.62,43.07 212.07,43.07 214.32,45.32 216.82,45.32 219.07,43.07 233.52,43.07 D67.1 v1(236.02,44.17) ; D79.1 v1(243.4,82.27)
R8: length 277.9
  Top w0.2: v1(19.79,36.92) 19.02,36.92 12.65,30.55 12.65,25.71 v1(13.33,25.02)
  Bottom w0.2: U1.39 21.27,36.92 v1(19.79,36.92) ; D74.1 259.32,23.62 207.55,23.62 D62.1 204.55,23.62 169.45,23.62 D52.1 166.45,23.62 131.35,23.62 D41.1 128.35,23.62 93.25,23.62 D31.1 90.25,23.62 55.15,23.62 D20.1 52.15,23.62 41.33,23.62 D8.1 38.33,23.62 14.73,23.62 v1(13.33,25.02)
